# Altium PCB rf_detector.PcbDoc (part 3 of 3)
Units mm, origin at the board's own origin, x right, y up, seen from the top; angles counter-clockwise.
Board outline 79.5 x 159.5 mm, 4 copper layers (Top Layer, GND, Inner Layer 2, Bottom Layer), stack 1.546 mm thick; 329 components, 231 nets, 937 pads, 642 vias.
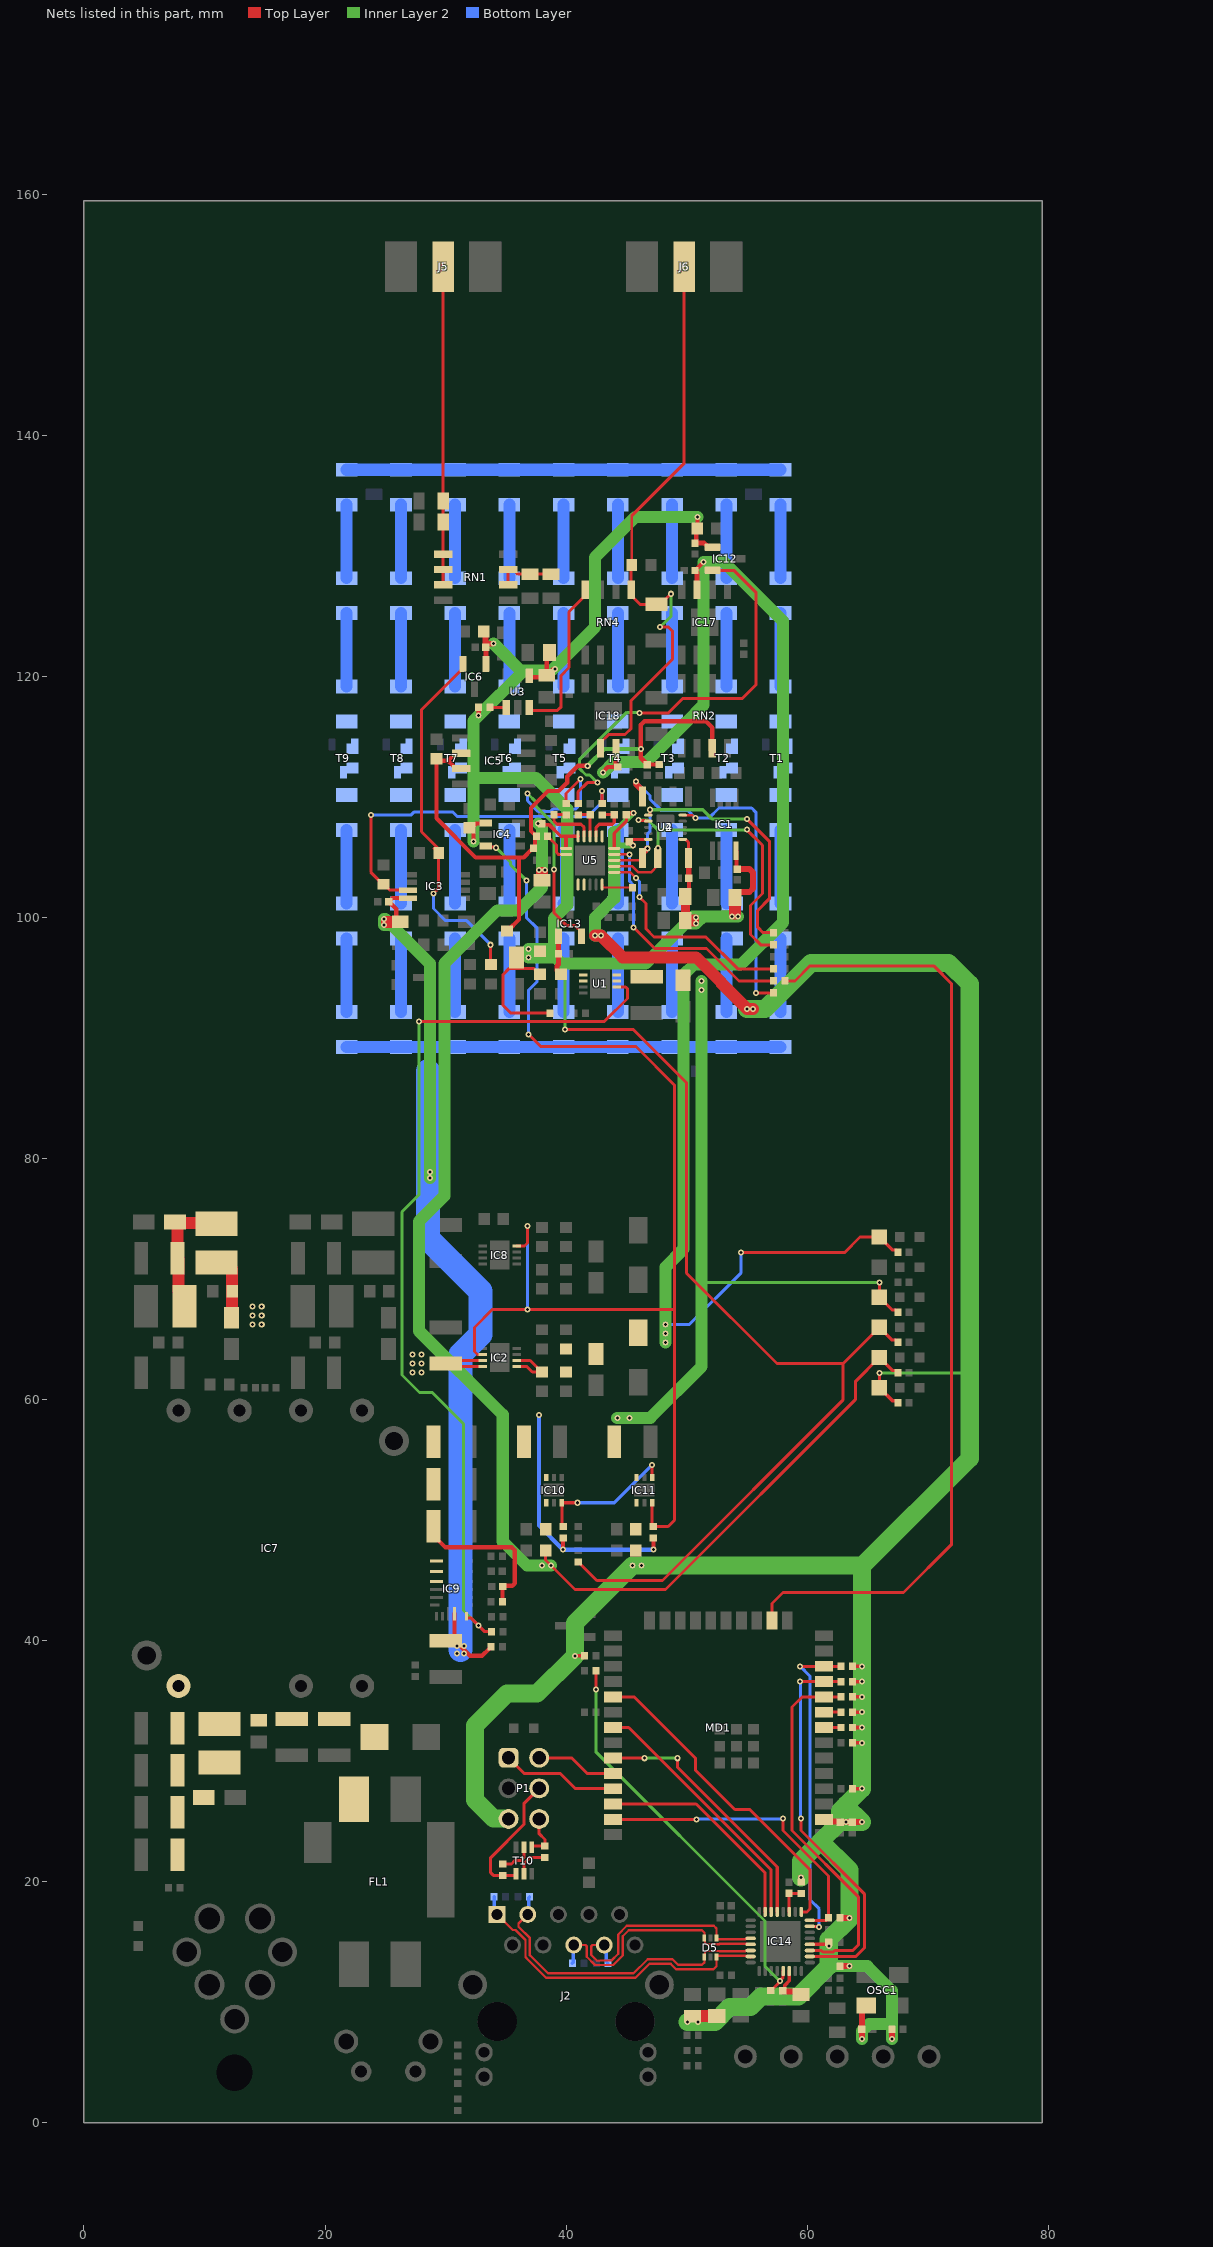
[diagram p5: the nets of this part, all layers, seen from the top]

## Via types
v1: diameter 0.5, hole 0.25, Top Layer to Bottom Layer, tented both sides, 624 vias
v2: diameter 0.5, hole 0.2, Top Layer to Bottom Layer, tented both sides, 16 vias
v3: diameter 0.45, hole 0.25, Top Layer to Bottom Layer, tented both sides, 2 vias

## Nets (pads, with @x,y where several pads share a name; then routed paths per layer and width w, separated by ;. In a path a pad name is that pad's centre, name@x,y a point inside that pad or via, vN(x,y) a via of type N, cw(c..) or ccw(c..) an arc to the next point about the centre after c; other vN are vias at no path point) (continued)
NetR20_1: R20.1 R21.1 R23.2 R24.2 R25.2 R26.2 R27.2 R28.2 R29.2 R30.2 R31.2 | length 36
  Bottom Layer w1: R31.2@21.8,89.265 R30.2@26.3,89.265 R29.2@30.8,89.265 R28.2@35.3,89.265 R27.2@39.8,89.265 R26.2@44.3,89.265 R25.2@48.8,89.265 R24.2@53.3,89.265 R23.2@57.8,89.265
NetR23_1: R23.1 R33.2 | length 6.1
  Bottom Layer w1: R23.1@57.8,92.165 R33.2@57.8,98.265
NetR24_1: R24.1 R34.2 | length 6.1
  Bottom Layer w1: R24.1@53.3,92.165 R34.2@53.3,98.265
NetR25_1: R25.1 R35.2 | length 6.1
  Bottom Layer w1: R25.1@48.8,92.165 R35.2@48.8,98.265
NetR26_1: R26.1 R36.2 | length 6.1
  Bottom Layer w1: R26.1@44.3,92.165 R36.2@44.3,98.265
NetR27_1: R27.1 R37.2 | length 6.1
  Bottom Layer w1: R27.1@39.8,92.165 R37.2@39.8,98.265
NetR28_1: R28.1 R38.2 | length 6.1
  Bottom Layer w1: R28.1@35.3,92.165 R38.2@35.3,98.265
NetR29_1: R29.1 R39.2 | length 6.1
  Bottom Layer w1: R29.1@30.8,92.165 R39.2@30.8,98.265
NetR30_1: R30.1 R40.2 | length 6.1
  Bottom Layer w1: R30.1@26.3,92.165 R40.2@26.3,98.265
NetR31_1: R31.1 R41.2 | length 6.1
  Bottom Layer w1: R31.1@21.8,92.165 R41.2@21.8,98.265
NetR33_1: R33.1 R43.2 | length 6.1
  Bottom Layer w1: R33.1@57.8,101.165 R43.2@57.8,107.265
NetR34_1: R34.1 R44.2 | length 6.1
  Bottom Layer w1: R34.1@53.3,101.165 R44.2@53.3,107.265
NetR35_1: R35.1 R45.2 | length 6.1
  Bottom Layer w1: R35.1@48.8,101.165 R45.2@48.8,107.265
NetR36_1: R36.1 R46.2 | length 6.1
  Bottom Layer w1: R36.1@44.3,101.165 R46.2@44.3,107.265
NetR37_1: R37.1 R47.2 | length 6.4
  Bottom Layer w1: R37.1@39.8,101.165 39.925,101.165 40,101.24 40,107.19 39.925,107.265 R47.2@39.8,107.265
NetR38_1: R38.1 R48.2 | length 6.1
  Bottom Layer w1: R38.1@35.3,101.165 R48.2@35.3,107.265
NetR39_1: R39.1 R49.2 | length 6.1
  Bottom Layer w1: R39.1@30.8,101.165 R49.2@30.8,107.265
NetR40_1: R40.1 R50.2 | length 6.1
  Bottom Layer w1: R40.1@26.3,101.165 R50.2@26.3,107.265
NetR41_1: R41.1 R51.2 | length 6.1
  Bottom Layer w1: R41.1@21.8,101.165 R51.2@21.8,107.265
NetR43_1: R43.1 R52.2 T1.3
NetR44_1: R44.1 R53.2 T2.3
NetR45_1: R45.1 R54.2 T3.3
NetR46_1: R46.1 R55.2 T4.3
NetR47_1: R47.1 R56.2 T5.3
NetR48_1: R48.1 R57.2 T6.3
NetR49_1: R49.1 R58.2 T7.3
NetR50_1: R50.1 R59.2 T8.3
NetR51_1: R51.1 R60.2 T9.3
NetR52_1: R52.1 R65.2 T1.2
NetR53_1: R53.1 R66.2 T2.2
NetR54_1: R54.1 R67.2 T3.2
NetR55_1: R55.1 R68.2 T4.2
NetR56_1: R56.1 R69.2 T5.2
NetR57_1: R57.1 R70.2 T6.2
NetR58_1: R58.1 R71.2 T7.2
NetR59_1: R59.1 R72.2 T8.2
NetR60_1: R60.1 R73.2 T9.2
NetR65_1: R65.1 R75.2 | length 6.1
  Bottom Layer w1: R65.1@57.8,119.165 R75.2@57.8,125.265
NetR66_1: R66.1 R76.2 | length 6.1
  Bottom Layer w1: R66.1@53.3,119.165 R76.2@53.3,125.265
NetR67_1: R67.1 R77.2 | length 6.1
  Bottom Layer w1: R67.1@48.8,119.165 R77.2@48.8,125.265
NetR68_1: R68.1 R78.2 | length 6.1
  Bottom Layer w1: R68.1@44.3,119.165 R78.2@44.3,125.265
NetR69_1: R69.1 R79.2 | length 6.1
  Bottom Layer w1: R69.1@39.8,119.165 R79.2@39.8,125.265
NetR70_1: R70.1 R80.2 | length 6.1
  Bottom Layer w1: R70.1@35.3,119.165 R80.2@35.3,125.265
NetR71_1: R71.1 R81.2 | length 6.1
  Bottom Layer w1: R71.1@30.8,119.165 R81.2@30.8,125.265
NetR72_1: R72.1 R82.2 | length 6.1
  Bottom Layer w1: R72.1@26.3,119.165 R82.2@26.3,125.265
NetR73_1: R73.1 R83.2 | length 6.1
  Bottom Layer w1: R73.1@21.8,119.165 R83.2@21.8,125.265
NetR75_1: R75.1 R86.2 | length 6.1
  Bottom Layer w1: R75.1@57.8,128.165 R86.2@57.8,134.265
NetR76_1: R76.1 R87.2 | length 6.1
  Bottom Layer w1: R76.1@53.3,128.165 R87.2@53.3,134.265
NetR77_1: R77.1 R88.2 | length 6.1
  Bottom Layer w1: R77.1@48.8,128.165 R88.2@48.8,134.265
NetR78_1: R78.1 R89.2 | length 6.1
  Bottom Layer w1: R78.1@44.3,128.165 R89.2@44.3,134.265
NetR79_1: R79.1 R90.2 | length 6.1
  Bottom Layer w1: R79.1@39.8,128.165 R90.2@39.8,134.265
NetR80_1: R80.1 R91.2 | length 6.1
  Bottom Layer w1: R80.1@35.3,128.165 R91.2@35.3,134.265
NetR81_1: R81.1 R92.2 | length 6.1
  Bottom Layer w1: R81.1@30.8,128.165 R92.2@30.8,134.265
NetR82_1: R82.1 R93.2 | length 6.1
  Bottom Layer w1: R82.1@26.3,128.165 R93.2@26.3,134.265
NetR83_1: R83.1 R94.2 | length 6.1
  Bottom Layer w1: R83.1@21.8,128.165 R94.2@21.8,134.265
NetR86_1: R86.1 R87.1 R88.1 R89.1 R90.1 R91.1 R92.1 R93.1 R94.1 R95.2 R96.2 | length 36
  Bottom Layer w1: R94.1@21.8,137.165 R93.1@26.3,137.165 R92.1@30.8,137.165 R91.1@35.3,137.165 R90.1@39.8,137.165 R89.1@44.3,137.165 R88.1@48.8,137.165 R87.1@53.3,137.165 R86.1@57.8,137.165
NetR117_2: R117.2 U5.14 | length 20.9
  Top Layer w0.2: U5.14@44,105.25 v1(45.25,105.25)
  Top Layer w0.25: v1(45.6,99.2) 47.355,97.445 51.655,97.445 54.35,94.75 R117.2@57.21,94.75
  Bottom Layer w0.25: v1(45.25,105.25) 45.25,103.05 45.598,102.702 45.598,99.202 v1(45.6,99.2)
NetR118_1: R118.1 U5.2 | length 2.5
  Top Layer w0.25: R118.1@38.47,106.75 38.47,106.73 38.635,106.565 38.655,106.565 39.2,106.02 39.2,105.4 39.35,105.25 U5.2@40,105.25
NetR119_1: R119.1 U5.10 | length 2.8
  Top Layer w0.2: U5.10@43,102.75 43,102.523 43.023,102.5 R119.1@45.53,102.5
NetR121_1: R121.1 U3.1 | length 1.4
  Top Layer w0.25: R121.1@33.695,117.45 U3.1@35.04,117.45
  Top Layer w0.4: U3.1@35.04,117.45 U3.1@35.05,117.44
NetR122_1: R122.1 R125.1 RN1.6 RN1.7 | length 5
  Top Layer w0.245: RN1.6@35.2,127.615 RN1.7@35.2,128.885 35.675,128.885 35.852,128.708 35.852,128.644 35.996,128.5 R125.1@37,128.5 R122.1@38.75,128.5
NetR137_1: R137.1 T10.2 | length 2.8
  Top Layer w0.25: R137.1@34.75,21.47 35.47,21.47 35.75,21.75 36.25,21.75 36.5,22 T10.2@36.5,22.85
NetR138_1: R138.1 T10.5 | length 2.8
  Top Layer w0.25: T10.5@36.5,20.65 36.5,21.477 37.053,22.03 R138.1@38.25,22.03
NetRN4_4: RN4.4 U3.3 | length 13.4
  Top Layer w0.245: U3.3@36.95,117.44 36.95,117.387 37.137,117.2 39.3,117.2 39.6,117.5 39.6,120.1 40.25,120.75 40.25,125.38 41.595,126.725 RN4.4@41.595,127.2
NetU5_6: U5.6
NetU5_7: U5.7
NetU5_16: U5.16
P2V048_REF: C14.2 C65.2 C73.2 IC5.6 IC5.7 R98.2 R116.2 R118.2 RN2.3 | length 52.6
  Top Layer w0.35: IC5.7@31.3,112.365 30.825,112.365 30.65,112.54 30.65,112.583 30.211,113.021 ; IC5.6@31.3,113.635 30.825,113.635 30.211,113.021 ; R98.2@35.2,98.95 36.1,99.85 36.1,105 ; R118.2@37.53,106.75 37.53,106.73 37.415,106.615 37.415,105.615 37.105,105.615 36.49,105 36.1,105 ; R118.2@37.55,106.75 37.1,107.2 37.1,109.1 38.5,110.5 39.4,110.5 40.1,111.2 40.1,111.7 41,112.6 v1(41.8,112.6) ; C65.2@46.75,112.7 C65.2@46.76,112.71 ; R116.2@47.75,112.72 47.74,112.71 C65.2@46.76,112.71 ; RN2.3@52.135,114.05 52.135,115.765 51.6,116.3 46.5,116.3 46.2,116 46.2,113.27 46.615,112.855 46.615,112.835 46.74,112.71 C65.2@46.76,112.71 ; 30.211,113.021 29.429,113.021 C14.2@29.25,113.2 29.25,108.25 32.5,105 36.1,105
  Inner Layer 2 w0.35: v1(41.8,112.6) 43.2,114 v1(46.2,114)
P3V3: C57.2 C58.2 C72.2 C75.2 C87.2 C89.2 C90.1 C95.2 C96.2 FB1.2 IC11.1 IC14.12 MD1.2 OSC1.4 P1.5 R99.1 R120.1 R127.1 R134.2 R135.2 R136.1 R139.2 R148.2 R149.2 R150.2 R152.2 R154.2 R155.2 TP1.1 U4.10 U5.15 | length 259.4
  Top Layer w0.25: U5.15@44,105.75 44,107 45,108 C75.2@45,108.55 ; C72.2@45.25,106.3 45.45,106.5 U4.10@46.825,106.5 ; TP1.1@66,61 v1(66,62.225)
  Top Layer w0.3: v1(40.73,38.75) R127.1@41.53,38.75 ; IC14.12@60.225,14.8 61.6,14.8 C95.2@61.8,15 ; R120.1@63.77,27.72 v1(64.57,27.72) ; R136.1@63.77,31.53 v1(64.57,31.53) ; R134.2@63.77,32.8 v1(64.57,32.8) ; R135.2@63.77,34.07 v1(64.57,34.07) ; R148.2@63.77,35.34 v1(64.57,35.34) ; R149.2@63.77,36.61 v1(64.57,36.61) ; R150.2@63.77,37.88 v1(64.57,37.88) ; TP1.1@66,61 67.09,59.91 67.39,59.91 67.53,59.77 R99.1@67.53,59.75
  Top Layer w0.35: C75.2@45,108.55 45.121,108.671 45.571,108.671 v1(45.6,108.7)
  Top Layer w0.5: C72.2@45.25,106.3 v1(45.56,105.99) ; R155.2@59.5,19.97 v1(59.5,20.37) ; MD1.2@61.4,25.18 61.57,25.01 62.69,25.01 C87.2@62.75,24.95 v1(63.24,24.95) C89.2@63.75,24.95 v1(64.55,24.95) ; R152.2@62.72,13 v1(63.52,13) ; R139.2@62.72,17 v1(63.52,17) ; v1(64.55,6.95) C96.2@64.55,7.75 64.55,9.38 OSC1.4@64.9,9.73 ; v1(67.03,6.95) R154.2@67.03,7.75
  Top Layer w1: v1(42.4,98.5) v1(42.9,98.5) 44.7,96.7 50.8,96.7 52.913,94.588 52.913,94.537 v1(55.025,92.425) v1(55.525,92.425) ; C90.1@50.5,8.85 FB1.2@52.5,8.85
  Inner Layer 2 w0.25: v1(66,62.225) 73.2,62.225
  Inner Layer 2 w0.5: 44,106.2 44.21,105.99 v1(45.56,105.99) ; 44.225,107.325 v1(45.6,108.7)
  Inner Layer 2 w1: v1(42.9,98.5) v1(42.4,98.5) 42.4,100 44,101.6 44,106.2 44,107.1 ; 61.8,13 v1(63.52,13) 65,13 67.03,10.97 67.03,8.2 ; 63.24,26.26 63.24,26.39 ; 64.52,46.25 64.57,46.2 ; v1(64.55,6.95) 64.55,7.614 65.136,8.2 67.03,8.2 ; v1(67.03,6.95) 67.03,8.2
  Inner Layer 2 w1.5: P1.5@35.23,25.21 35.201,25.239 33.997,25.239 32.45,26.786 32.45,32.975 35.1,35.625 37.605,35.625 v1(40.73,38.75) 40.73,41.48 v1(45.5,46.25) v1(46.25,46.25) 64.52,46.25 ; v1(50.068,8.375) 52.35,8.375 53.575,9.6 55.3,9.6 56.175,10.475 59.275,10.475 61.8,13 v1(61.8,14.69) 61.8,15.194 63.52,16.914 v1(63.52,17) 63.52,20.98 61.137,23.362 ; v1(55.025,92.425) v1(55.525,92.425) 56.5,92.425 60.325,96.25 71.75,96.25 73.5,94.5 73.5,55.13 64.57,46.2 v1(64.57,37.88) v1(64.57,36.61) v1(64.57,35.34) v1(64.57,34.07) v1(64.57,32.8) v1(64.57,31.53) v1(64.57,27.72) 63.24,26.39 62.725,25.875 62.725,24.95 ; v1(59.5,20.37) 59.5,21.725 61.137,23.362 ; 61.137,23.362 62.725,24.95 ; 62.725,24.95 v1(63.24,24.95) ; v1(63.24,24.95) 63.24,26.26 v1(64.55,24.95) v1(63.24,24.95)
  Bottom Layer w0.5: v1(42.4,98.5) v1(42.9,98.5) ; v1(55.025,92.425) v1(55.525,92.425)
  other v1: 50.949,8.375
P3V3_PG: IC2.6 IC4.3 IC8.4 IC11.3 R105.1 | length 101.2
  Top Layer w0.25: IC2.6@33.1,63.75 32.65,63.75 32.4,64 32.4,66 33.9,67.5 49,67.5 ; IC4.3@33.35,105.95 33.452,105.848 34.152,105.848 v1(34.2,105.8) ; IC8.4@35.9,72.75 36.55,72.75 36.8,73 v1(36.8,74.4) ; v1(36.9,90.3) 37.9,89.3 45.8,89.3 49,86.1 49,76.025 ; R105.1@47.15,49.57 IC11.3@47.15,51.45 ; R105.1@47.25,49.47 48.47,49.47 49,50 49,67.5 ; 49,76 49,67.5
  Inner Layer 2 w0.25: v1(34.2,105.8) 35.4,104.6 35.4,104.4 v1(36.7,103.1)
  Bottom Layer w0.25: v1(36.7,103.1) 36.7,100.014 37.6,99.114 37.6,94.7 36.9,94 v1(36.9,90.3) ; v1(36.8,67.5) v1(36.8,74.4)
P5V0: C54.2 C55.2 C76.2 C86.2 IC10.1 R100.1 TP2.1 U5.1 U5.20 | length 120.2
  Top Layer w0.25: C55.2@38.3,47.5 38.3,46.7 40.75,44.25 48.25,44.25 64,60 64,61.5 TP2.1@66,63.5 67.065,62.435 67.365,62.435 67.53,62.27 R100.1@67.53,62.25
  Top Layer w0.3: C76.2@38,107.8 38.078,107.722 38.578,107.722 39.55,106.75 40,106.75 ; U5.1@40,105.75 40,106.75 ; U5.20@41,106.75 40,106.75
  Top Layer w0.5: C86.2@37.75,102.875 v1(37.75,103.971) v1(38.25,103.971) C86.2@38.25,102.875
  Inner Layer 2 w1: v1(37.69,107.8) 38,107.49 38,102.5 36.1,100.6 34.3,100.6 29.9,96.2 29.9,76.9 27.8,74.8 27.8,65.7 34.75,58.75 34.75,48.25 36.75,46.25 v1(38.75,46.25)
  other v1: 38,46.25
P5V0_PG: IC10.3 IC11.4 R97.1 | length 11.9
  Top Layer w0.25: R97.1@39.75,49.47 39.65,49.57 IC10.3@39.65,51.45 v1(40.95,51.45) ; IC11.4@47.15,53.55 v1(47.15,54.6)
  Bottom Layer w0.25: v1(40.95,51.45) 44,51.45 v1(47.15,54.6)
P5V0A: C1.2 C2.2 C13.2 C24.2 C25.2 C48.2 C49.2 C51.1 C62.2 C63.2 C66.2 C67.2 C69.2 C70.2 C71.2 C83.1 C84.2 IC1.8 IC4.1 IC6.1 IC12.1 IC13.1 R17.2 R74.1 R101.1 R121.2 TP3.1 U1.1 U1.2 U2.8 U3.4 U4.1 | length 226.1
  Top Layer w0.25: C49.2@37.825,95.3 37.8,95.3 37.308,95.792 35.292,95.792 34.75,95.25 34.75,92.75 35.425,92.075 37.25,92.075 R17.2@38.65,92.075 ; v1(39.9,90.7) 45.6,90.7 50,86.3 50,70.5 57.5,63 63,63 ; R74.1@41,46.53 41.02,46.53 42.55,45 48,45 63,60 63,63 ; U4.1@49.675,106.5 49.9,106.5 50.155,106.245 U2.8@50.155,104.95 ; TP3.1@66.025,66.025 TP3.1@66,66 ; R101.1@67.53,64.75 67.53,64.77 67.365,64.935 67.065,64.935 TP3.1@66,66 ; 63,63 TP3.1@66,66
  Top Layer w0.35: C13.2@32,107.45 32.3,107.75 32.478,107.75 32.53,107.803 33.303,107.803 IC4.1@33.35,107.85 ; v1(32.314,106.3) C13.2@32.314,107.61 ; v1(32.755,116.775) R121.2@32.755,117.45 ; C25.2@33.35,122.45 33.575,122.675 33.9,122.675 v1(33.975,122.75) 33.946,122.779 33.396,122.779 33.35,122.824 ; C84.2@38.25,119.95 38.925,120.625 v1(39.1,120.625) ; C70.2@49.9,101.75 50.2,102.05 C69.2@50.2,103.25 C69.2@50.177,103.272 ; U2.8@50.155,104.95 U2.8@50.177,104.928 ; C62.2@50.9,132.275 v1(50.9,133.25) ; IC1.8@54.1,105.55 54.15,105.5 54.15,104.1 C1.2@54.225,104.025
  Top Layer w0.4: C24.2@33.175,123.725 C24.2@33.263,123.637 ; IC6.1@33.35,121.05 C25.2@33.35,122.45 ; U3.4@36.95,120.06 37.06,119.95 C84.2@38.25,119.95 ; C84.2@38.4,120.1 38.4,121.775 C83.1@38.625,122 ; IC13.1@39.375,98.45 C67.2@39.375,97 39.375,96.125 39.25,96 39.25,95.625 39.275,95.6 39.275,95.575 39.55,95.3 C48.2@39.575,95.3 ; C62.2@50.9,132.275 50.8,132.175 50.8,131.175 C63.2@50.7,131.075 51.466,131.075 51.7,130.841 51.7,130.825 51.8,130.725 IC12.1@52.15,130.725 ; 33.263,123.225 33.263,122.537 C25.2@33.35,122.45 ; 33.263,123.225 C24.2@33.263,123.637 ; 33.263,123.225 33.35,123.137 ; C24.2@33.263,123.637 33.35,123.55 33.35,123.137 ; C25.2@33.35,122.45 33.35,122.824 33.35,123.137
  Top Layer w0.45: C69.2@50.177,103.272 U2.8@50.177,104.928
  Top Layer w0.5: C71.2@49.675,99.5 v1(50.771,99.5) v1(50.771,100) 49.9,100 C71.2@49.675,100 ; C2.2@53.775,101.375 v1(53.775,100.1) v1(54.275,100.1) C2.2@54.275,101.375 ; C2.2@54.025,101.675 54.025,101.85 54.3,102.125 55.225,102.125 55.527,102.427 55.527,103.732 55.234,104.025 C1.2@54.225,104.025
  Top Layer w0.75: C71.2@49.9,99.75 49.9,100 C70.2@49.9,101.75
  Inner Layer 2 w0.25: 39.6,96.2 39.9,95.9 v1(39.9,90.7)
  Inner Layer 2 w1: v1(32.314,106.3) 32.314,111.6 ; v1(33.975,122.75) 36.353,120.372 ; v1(50.9,133.25) 45.75,133.25 42.4,129.9 42.4,124.1 38.8,120.5 36.48,120.5 36.353,120.372 ; v1(54.275,100.1) v1(53.775,100.1) 51.371,100.1 ; 32.314,111.6 37.5,111.6 40.1,109 40.1,101.038 39,99.938 39,97.4 ; 32.314,111.6 32.314,116.334 v1(32.755,116.775) 36.353,120.372 ; 39,97.4 v1(36.9,97.4) v1(36.9,96.7) 39.1,96.7 ; 39,97.4 39,96.8 39.1,96.7 ; 39.1,96.7 39.6,96.2 46.6,96.2 49.9,99.5 ; 49.9,99.5 v1(50.771,99.5) ; 49.9,99.5 50.5,100.1 v1@50.871,100.1 ; v1(50.771,99.5) 51.371,100.1 ; v1(50.771,99.5) v1(50.771,100) v1@50.871,100.1 ; v1@50.871,100.1 51.371,100.1
P6V0: C44.2 C45.2 C46.2 C47.2 C50.1 C52.2 C53.2 C56.2 IC9.7 IC9.8 IC9.9 IC10.6 IC11.6 R19.2 R97.2 R102.1 R105.2 TP4.1 U1.7 U1.8 | length 93.7
  Top Layer w0.25: v1(66,69.725) TP4.1@66,68.5 67.065,67.435 67.365,67.435 67.53,67.27 R102.1@67.53,67.25
  Top Layer w0.35: C44.2@29,49.5 29,48.725 29.4,48.325 29.425,48.325 30,47.75 35.5,47.75 35.75,47.5 35.75,44.77 35.545,44.565 34.795,44.565 34.725,44.495 34.725,43.255 R19.2@34.72,43.25 ; v1(39.75,47.555) R97.2@39.75,48.53 ; v1(47.25,47.555) R105.2@47.25,48.53
  Inner Layer 2 w0.25: 51,69.75 51.025,69.725 51.25,69.725 v1(66,69.725)
  Inner Layer 2 w1: v1(44.25,58.5) 47,58.5 51.25,62.75 51.25,69.725 v1(51.25,94) v1(51.25,94.75)
  Bottom Layer w0.35: v1(37.75,58.75) 37.75,49.555 v1(39.75,47.555) v1(47.25,47.555)
  other v1: 45.25,58.5
P6V0_PG: IC9.18 R16.2 U1.6 | length 76.5
  Top Layer w0.25: v1(27.8,91.4) 43.2,91.4 45.1,93.3 45.1,94.1 44.95,94.25 U1.6@44.225,94.25 ; IC9.18@31.75,42.05 31.75,41.897 32.103,41.897 v1(32.75,41.25) 33.25,40.75 R16.2@33.81,40.75
  Inner Layer 2 w0.25: v1(27.8,91.4) 27.8,77 26.39,75.59 26.39,62.049 27.839,60.6 28.9,60.6 31.5,58 31.5,42.5 v1(32.75,41.25)
P12V0: C5.2 C6.2 C26.2 C27.2 C31.2 C43.2 D1.1 FL1.2 IC3.8 IC9.16 L4.1 R15.2 R20.2 | length 88.7
  Top Layer w0.35: C27.2@25.906,99.9 25.906,100.706 C26.2@25.288,101.323 25.59,101.625 IC3.8@26.9,101.625 ; C43.2@30,40 C43.2@30.35,40 ; IC9.16@30.75,42.25 30.75,40.4 C43.2@30.35,40 ; R15.2@33.78,39.5 33.78,39.48 33.665,39.365 33.645,39.365 33.03,38.75 32.025,38.75 31.387,39.388 30.775,40 C43.2@30.35,40
  Top Layer w0.5: C27.2@25.996,99.4 v1(24.9,99.4) v1(24.9,99.9) 25.906,99.9 25.996,99.9 C27.2@26.246,99.65
  Inner Layer 2 w1: v1(28.7,78.4) v1(28.7,78.9) 28.7,96.2 25.5,99.4 ; v1(24.9,99.4) 25.5,99.4 ; v1(24.9,99.4) v1(24.9,99.9) 25,99.9 25.3,99.6 ; v1(24.9,99.4) 25.1,99.6 25.3,99.6 ; 25.3,99.6 25.5,99.4
  Bottom Layer w2: R20.2@28.55,87.25 28.55,73.35 32.9,69 32.9,65.4 31.25,63.75 31.25,39.25
  other v1: 30.95,38.95 31.55,38.95 30.95,39.55 31.55,39.55
P12V0A: C11.2 C12.2 C16.1 C79.2 C81.2 D3.1 IC2.1 IC2.2 IC17.7 IC18.7 R6.2 R103.2 TP5.1 | length 131.6
  Top Layer w0.25: IC2.1@35.9,62.75 36.75,62.75 37.2,62.3 C11.2@37.975,62.3 ; IC2.2@35.9,63.25 37.025,63.25 C11.2@37.975,62.3 ; C11.2@38,62.3 C11.2@37.975,62.3 ; v1(54.5,72.2) 63.1,72.2 64.4,73.5 TP5.1@66,73.5 67.065,72.435 67.365,72.435 67.53,72.27 R103.2@67.53,72.25
  Top Layer w0.35: v1(43.074,112.032) 43.103,112.061 43.103,112.138 43.465,112.5 C81.2@44.3,112.5 ; C79.2@50.7,128.804 51.396,129.5 v1(51.4,129.5)
  Top Layer w0.4: IC18.7@44.135,114.05 44.135,112.665 C81.2@44.3,112.5 ; C79.2@50.7,128.804 50.865,128.639 IC17.7@50.865,127.2
  Inner Layer 2 w1: v1(43.074,112.032) 43.942,112.9 46.649,112.9 49.924,116.176 51.4,117.651 v1(51.4,129.5) 53.1,129.5 58,124.6 58,99.6 54.5,96.1 50.6,96.1 49.75,95.25 49.75,72.5 48.25,71 v1(48.25,65.5) v1(48.25,64.75)
  Bottom Layer w0.25: v1(48.25,66.25) 50.25,66.25 54.5,70.5 v1(54.5,72.2)
P12V0FIL: C21.2 C22.2 C23.2 C29.2 C30.1 IC7.1 L4.2
P13V0: C8.2 C10.2 C15.1 IC2.7 IC2.8 L2.2 | length 12
  Top Layer w0.25: IC2.8@33.1,62.75 30.25,62.75 C8.2@30,63 30.25,63.25 IC2.7@33.1,63.25
  Top Layer w1: L2.2@11,71.4 11.75,71.4 12.3,70.85 C10.2@12.3,69 12.3,66.85 C15.1@12.25,66.8
  other v1: 27.25,62.25 28,62.25 27.25,63 28,63 27.25,63.75 28,63.75 14,66.25 14.75,66.25 14,67 14.75,67 14,67.75 14.75,67.75
P13V0FIL: C7.2 C9.1 L1.2 L2.1 | length 10.9
  Top Layer w1: L1.2@8.35,67.75 8.35,68.5 7.825,69.025 7.825,71.675 C7.2@7.75,71.75 7.75,74.625 C9.1@7.7,74.675 ; L2.1@11,74.6 10.925,74.675 C9.1@7.7,74.675 ; C9.1@7.7,74.675 7.625,74.75 C9.1@7.55,74.75 7.625,74.675 C9.1@7.7,74.675
PHY_MDC: IC14.17 MD1.29 | length 27
  Top Layer w0.25: MD1.29@43.9,35.34 45.66,35.34 50.75,30.25 50.75,29.25 54,26 55.25,26 60.25,21 60.25,17.75 60,17.5 IC14.17@59.525,17.5
PHY_MDIO: IC14.16 MD1.37 R139.1 | length 25.6
  Top Layer w0.25: MD1.37@43.9,25.18 v1(50.82,25.18) ; v1(58,25.25) 58,24.25 61.78,20.47 61.78,16.98 61.6,16.8 IC14.16@60.225,16.8
  Bottom Layer w0.25: v1(50.82,25.18) 50.855,25.215 57.965,25.215 v1(58,25.25)
PHY_RD_N: D5.4 IC14.28 J2.3 R143.2 | length 20
  Top Layer w0.19: J2.3@43.175,14.75 42.201,14.75 42.09,14.639 42.09,13.933 42.553,13.47 43.77,13.47 44.33,14.03 44.33,15.63 45.045,16.345 52.255,16.345 52.482,16.118 D5.4@52.482,15.334 52.482,15.29 52.537,15.235 54.87,15.235 54.914,15.279 55.304,15.279 IC14.28@55.325,15.3
  Bottom Layer w0.28: J2.3@43.175,14.75 43.322,14.603 43.322,13.397 R143.2@43.47,13.25
PHY_RD_P: D5.6 IC14.29 J2.5 R142.2 | length 20.5
  Top Layer w0.19: J2.5@40.635,14.75 41.609,14.75 41.72,14.639 41.72,13.78 42.4,13.1 43.923,13.1 44.7,13.877 44.7,15.477 45.198,15.975 51.286,15.975 51.482,15.779 D5.6@51.482,15.334 51.537,15.279 51.537,14.938 51.648,14.827 52.724,14.827 52.762,14.865 54.955,14.865 55.02,14.8 IC14.29@55.325,14.8
  Bottom Layer w0.28: R142.2@40.53,13.25 40.582,13.302 40.582,14.698 J2.5@40.635,14.75
PHY_RESET: C99.2 IC14.19 R155.1 | length 2.6
  Top Layer w0.25: C99.2@58.5,19.05 C99.2@58.51,19.04 ; IC14.19@58.525,17.5 58.515,17.51 58.515,19.035 C99.2@58.51,19.04 ; R155.1@59.5,19.03 59.49,19.04 C99.2@58.51,19.04
PHY_TD_N: D5.1 IC14.30 J2.8 R147.2 | length 26.1
  Top Layer w0.19: J2.8@36.825,17.29 36.062,16.527 36.062,16.262 37,15.323 37,13.9 38.5,12.4 45.6,12.4 46.77,13.57 48.83,13.57 49.288,13.112 51.286,13.112 51.482,13.309 D5.1@51.482,13.754 ; D5.1@51.537,13.809 51.537,14.149 51.648,14.261 52.724,14.261 52.75,14.235 54.87,14.235 54.914,14.279 55.304,14.279 IC14.30@55.325,14.3
  Bottom Layer w0.28: J2.8@36.825,17.29 36.898,17.363 36.898,18.678 R147.2@36.97,18.75
PHY_TD_P: D5.3 IC14.31 J2.10 R145.2 | length 27.2
  Top Layer w0.19: J2.10@34.285,17.29 35.575,16 35.8,16 36.63,15.17 36.63,13.747 36.838,13.538 37.177,13.2 ; 37.068,13.308 37.177,13.2 ; D5.3@52.482,13.754 52.482,12.982 52.242,12.742 49.134,12.742 48.738,13.138 48.677,13.2 46.923,13.2 45.753,12.03 38.347,12.03 37.177,13.2 ; 52.632,13.865 54.955,13.865 55.02,13.8 IC14.31@55.325,13.8
  Top Layer w0.28: IC14.31@55.321,13.784 IC14.31@55.325,13.787
  Bottom Layer w0.28: R145.2@34.03,18.75 34.03,17.545 J2.10@34.285,17.29
RF_IN: J5.1 R123.2 R124.2 RN1.1 RN1.2 RN1.3 | length 26.4
  Top Layer w0.245: RN1.3@29.8,127.615 RN1.2@29.8,128.885 RN1.1@29.8,130.155 R123.2@29.8,132.825 R124.2@29.8,134.575 J5.1@29.8,154
RF_PWR_OUT: C78.2 IC18.6 J6.1 R5.1 RN4.1 | length 50.4
  Top Layer w0.245: v1(48.7,126.875) 47.825,126 C78.2@47.5,126 46.13,126 45.405,126.725 RN4.1@45.405,127.2 45.405,129.205 R5.1@45.45,129.25 45.45,133.35 49.8,137.7 J6.1@49.8,154
  Top Layer w0.25: IC18.6@42.865,114.05 42.865,114.525 43.54,115.2 44.9,115.2 45.4,115.7 45.4,118.014 48.831,121.444 48.831,123.769 48.5,124.1 v1(47.8,124.1)
  Inner Layer 2 w0.25: v1(47.8,124.1) 48.7,125 v1(48.7,126.875)
RMII_CRSDV: IC14.15 MD1.12 R150.1 | length 26.5
  Top Layer w0.25: v1(59.429,37.88) MD1.12@61.4,37.88 R150.1@62.83,37.88 ; IC14.15@60.225,16.3 60.235,16.29 60.96,16.29 v1(61,16.25)
  Bottom Layer w0.25: v1(59.429,37.88) 60.25,37.059 60.25,18.5 61,17.75 v1(61,16.25)
RMII_REFCLK: IC14.5 R126.2 R153.2 | length 34.1
  Top Layer w0.25: v1(42.47,35.97) R126.2@42.47,37.5 ; R153.2@57,10.97 57.02,10.97 57.75,11.7 57.75,11.818 58.015,12.083 58.015,12.59 IC14.5@58.025,12.6
  Inner Layer 2 w0.25: v1(42.47,35.97) 42.47,30.78 56.5,16.75 56.5,13 v1(57.75,11.75)
RMII_RXD0: IC14.11 MD1.10 R148.1 | length 30.8
  Top Layer w0.25: IC14.11@60.225,14.3 61.2,14.3 61.312,14.188 62.188,14.188 62.3,14.3 63.8,14.3 64.25,14.75 64.25,18.75 58.75,24.25 58.75,34.5 59.59,35.34 MD1.10@61.4,35.34 R148.1@62.83,35.34
RMII_RXD1: IC14.10 MD1.11 R149.1 | length 32.5
  Top Layer w0.25: v1(59.428,36.61) R149.1@62.83,36.61 ; v1(59.5,25.25) 59.5,24.25 64.75,19 64.75,14.5 64.05,13.8 IC14.10@60.225,13.8
  Bottom Layer w0.25: v1(59.428,36.61) 59.464,36.574 59.464,25.286 v1(59.5,25.25)
RMII_TXD0: IC14.22 MD1.31 | length 21.5
  Top Layer w0.25: MD1.31@43.9,32.8 45.2,32.8 57.025,20.975 IC14.22@57.025,17.5
RMII_TXD1: IC14.23 MD1.36 | length 18.2
  Top Layer w0.25: MD1.36@43.9,26.45 50.8,26.45 56.525,20.725 IC14.23@56.525,17.5
RMII_TXEN: IC14.21 MD1.33 | length 21.5
  Top Layer w0.25: MD1.33@43.9,30.26 46.49,30.26 v1(46.5,30.25) ; v1(49.25,30.25) 49.25,29.5 57.525,21.225 IC14.21@57.525,17.5
  Inner Layer 2 w0.25: v1(46.5,30.25) v1(49.25,30.25)
SCL: MD1.8 R134.1 | length 1.4
  Top Layer w0.25: MD1.8@61.4,32.8 R134.1@62.83,32.8
SDA: MD1.9 R135.1 | length 1.4
  Top Layer w0.25: MD1.9@61.4,34.07 R135.1@62.83,34.07
SPI_CLK: R129.1 U2.5 U4.6 U5.13 | length 27.4
  Top Layer w0.2: U5.13@44,104.75 46.149,104.75 U2.5@46.345,104.946
  Top Layer w0.25: U4.6@46.825,108.5 46.952,108.5 v1(46.952,108.952) ; v1(55,108.2) 56.9,106.3 56.9,101.6 55.9,100.6 55.9,99.2 56.35,98.75 R129.1@57.21,98.75
  Top Layer w0.5: U2.5@46.345,104.946 U2.5@46.345,104.95 46.345,105.475 46.395,105.525 46.525,105.525 v1(46.75,105.75)
  Inner Layer 2 w0.25: v1(46.952,108.952) 51.348,108.952 52.1,108.2 v1(55,108.2)
  Bottom Layer w0.25: v1(46.75,105.75) 46.75,106.95 46.952,107.152 v1(46.952,108.952)
SPI_CSADC: R131.1 U5.11 | length 18.5
  Top Layer w0.2: U5.11@44,103.75 45.35,103.75 v1(45.8,103.3)
  Top Layer w0.25: v1(46.1,101.7) 46.1,101.693 46.627,101.166 46.627,99.073 47.3,98.4 51.6,98.4 54.25,95.75 R131.1@57.21,95.75
  Bottom Layer w0.25: v1(45.8,103.3) 46.1,103 v1(46.1,101.7)
SPI_CSDAC: R130.1 U2.4 U4.5 | length 31
  Top Layer w0.2: U4.5@49.675,108.5 50.483,108.5 50.733,108.25 v1(50.75,108.25)
  Top Layer w0.25: v1(55.75,93.75) R130.1@57.21,93.75
  Top Layer w0.5: v1(45.8,111.3) 45.8,111.12 46.295,110.625 46.295,110.1 U2.4@46.345,110.05
  Bottom Layer w0.25: v1(45.8,111.3) 46.974,110.126 46.974,109.826 47.9,108.9 50.1,108.9 v1(50.75,108.25) 51.85,108.25 52.7,109.1 55.4,109.1 55.75,108.75 v1(55.75,93.75)
SPI_MISO: MD1.16 R117.1 | length 79.9
  Top Layer w0.25: MD1.16@57.09,41.67 57.09,43.09 58,44 68,44 72,48 72,94.5 70.5,96 60.25,96 59,94.75 R117.1@58.15,94.75
SPI_MOSI: R128.1 U2.6 U4.7 U5.12 | length 28.3
  Top Layer w0.2: U5.12@44,104.25 45.5,104.25 46,103.75 47.042,103.75 47.615,104.323 U2.6@47.615,104.95
  Top Layer w0.25: v1(46,108.1) 46.048,108.052 46.548,108.052 46.6,108 U4.7@46.825,108 ; v1(55,107.3) 56.3,106 56.3,102 55.3,101 55.3,98.6 56.15,97.75 R128.1@57.21,97.75
  Inner Layer 2 w0.25: v1(46,108.1) 46.8,108.1 47.615,107.285 ; v1(47.615,105.775) 47.615,107.285 ; v1(55,107.3) 54.985,107.285 47.615,107.285
TEMP_SEN0_OUT: IC12.2 R109.1 | length 34.9
  Top Layer w0.25: R109.1@41,109.47 41,110.44 41.76,111.2 v1(42.6,111.2) ; v1(46.1,117) 48.5,117 49.7,118.2 54.65,118.2 55.75,119.3 55.75,127 53.925,128.825 IC12.2@52.15,128.825
  Inner Layer 2 w0.25: v1(42.6,111.2) 41.961,111.839 41.661,111.839 41.1,112.4 41.1,113.1 45.039,117.039 46.061,117.039 v1(46.1,117)
TEMP_SEN0_OUT_FLT: C64.2 R109.2 U5.18 | length 2.8
  Top Layer w0.25: R109.2@41,108.53 41.01,108.54 41.99,108.54 C64.2@42,108.55 U5.18@42,106.75
TEMP_SEN1_OUT: IC13.2 R113.1 | length 24.3
  Top Layer w0.25: v1(39,104) 39,100.4 40.066,99.334 40.741,99.334 41.275,98.8 IC13.2@41.275,98.45 ; R113.1@40,109.47 40,110.3 v1(41.2,111.5)
  Inner Layer 2 w0.25: v1(36.8,110.3) 37.525,109.575 37.525,109.227 39,107.751 v1(39,104)
  Bottom Layer w0.25: v1(36.8,110.3) 36.8,109.7 37.702,108.798 38.698,108.798 38.9,109 40.772,109 41.2,109.428 v1(41.2,111.5)
TEMP_SEN1_OUT_FLT: C68.2 R113.2 U5.19 | length 5.3
  Top Layer w0.25: R113.2@40.185,108.365 40.02,108.53 R113.2@40,108.53 39.99,108.54 39.01,108.54 C68.2@39,108.55 39,108 39.25,107.75 41.25,107.75 41.5,107.5 U5.19@41.5,106.75
TEMP_SENHT_OUT: IC6.2 R22.1 R61.1 | length 30.4
  Top Layer w0.25: v1(29,102) 29,102.014 29.435,102.449 29.435,105.423 29.11,105.748 R22.1@29.06,105.748 ; R22.1@29.456,105.675 28,107.131 28,117.25 31.45,120.7 IC6.2@31.45,121.05 ; v1(33.75,97.75) 33.75,96.131 R61.1@33.781,96.1
  Bottom Layer w0.25: v1(29,102) 29,100.75 30,99.75 31.75,99.75 v1(33.75,97.75)
TEMP_SENHT_OUT_BUF: IC3.7 R18.2 R108.1 | length 30.3
  Top Layer w0.25: v1(23.8,108.5) 23.8,103.773 24.8,102.773 R18.2@24.85,102.773 24.9,102.773 25.398,102.275 IC3.7@26.9,102.275 ; R108.1@43,109.47 v1(43,110.5)
  Bottom Layer w0.25: v1(23.8,108.5) 27.116,108.5 27.366,108.75 30.615,108.75 30.965,108.4 41.8,108.4 43,109.6 v1(43,110.5)
TEMP_SENHT_OUT_FLT: C61.2 R108.2 U5.17 | length 4.1
  Top Layer w0.25: U5.17@42.5,106.75 42.5,107.5 42.75,107.75 43.854,107.75 44,107.896 C61.2@44,108.55 43.99,108.54 43.01,108.54 R108.2@43,108.53
U0DTR: P1.4 R137.2 T10.4 | length 10.9
  Top Layer w0.25: T10.4@35.85,20.65 35.85,20.605 35.775,20.53 R137.2@34.75,20.53 33.97,20.53 33.75,20.75 33.75,22 36.5,24.75 36.5,26.48 P1.4@37.77,27.75
U0RTS: P1.6 R138.2 T10.1 | length 3.6
  Top Layer w0.25: T10.1@37.15,22.85 37.15,22.895 37.225,22.97 R138.2@38.25,22.97 38.25,23.5 37.77,23.98 P1.6@37.77,25.21
U0RXD: MD1.34 P1.2 | length 6.7
  Top Layer w0.25: P1.2@37.77,30.29 40.46,30.29 41.76,28.99 MD1.34@43.9,28.99
U0TXD: MD1.35 P1.1 | length 9.7
  Top Layer w0.25: P1.1@35.23,30.29 36.52,29 39.5,29 40.78,27.72 MD1.35@43.9,27.72
VDCR: C97.1 C98.2 IC14.6 | length 3.5
  Top Layer w0.3: C98.2@58,10.95 58.16,11.11 58.16,11.41 58.525,11.775 IC14.6@58.525,12.6
  Top Layer w0.5: C98.2@58,10.95 58.06,10.89 59.26,10.89 C97.1@59.5,10.65
pads on no net: D2.2 IC5.5 IC5.8 IC7.9 IC9.10 IC9.15 IC17.1 IC17.5 IC18.1 IC18.5 J1.5 J2.MH1 J2.MH2

## Polygon pours and split planes (outlines as drawn)
no net on Bottom Layer "balancing" (solid, pour order 113): 2.5,0 76.5,0 76.5,159.5 2.5,159.5
N13V0 on Bottom Layer "N13V0_L04_P058" (solid, pour order 58): 32.7,73.6 36.3,73.6 36.3,70.4 32.7,70.4
P13V0 on Bottom Layer "P13V0_L04_P041" (solid, pour order 41): 13.75,68.5 22.75,68.5 22.75,67.5 28.5,67.5 28.5,61.75 26.25,61.75 26.25,63.75 13.25,63.75 13.25,68.5
no net on Top Layer "balancing" (solid, pour order 114): 2.5,0 76.5,0 76.5,159.5 2.5,159.5
P12V0 on Top Layer "P12V0_L01_P054" (solid, pour order 54): 28.5,41.25 31,41.25 32.5,39.75 33.25,39 33.25,35 31.75,33.5 27,33.5 25.5,32 25.5,34.75 31.25,34.75 32,35.5 32,37.75 31.35,38.4 28.5,38.4
GND on Top Layer "GND_L01_P108" (solid, pour order 108): 15.25,32.125 15.25,30.3 13.75,30.3 13.75,32.125
GND on Top Layer "GND_L01_P107" (solid, pour order 107): 47.6,90.9 45.8,90.9 45.8,93.3 47.6,93.3
GND on Top Layer "GND_L01_P106" (solid, pour order 106): 37.25,75.25 38.75,75.25 38.75,74.3 37.25,74.3
GND on Top Layer "GND_L01_P105" (solid, pour order 105): 37.25,66.75 38.75,66.75 38.75,65.8 37.25,65.8
P3V3 on Top Layer "P3V3_L01_P053" (solid, pour order 53): 45.675,51.75 45.675,50.925 45.25,50.5 45.25,46 46.5,46 46.5,50.5 46.025,50.975 46.025,51.75
GND on Top Layer "GND_L01_P103" (solid, pour order 103): 45,59.7 45,62.55 47,62.55 47,59.7
GND on Top Layer "GND_L01_P104" (solid, pour order 104): 41.4,59.7 41.4,62.1 43.6,62.1 43.6,59.7
GND on Top Layer "GND_L01_P102" (solid, pour order 102): 41.4,68.1 41.4,70.6 43.6,70.6 43.6,68.1
GND on Top Layer "GND_L01_P099" (solid, pour order 99): 45,68.1 45,71.05 47,71.05 47,68.1
N13V0 on Top Layer "N13V0_L01_P050" (solid, pour order 50): 32.4,71.7 31.6,72.5 22.25,72.5 22.25,70.4 32.4,70.4
GND on Top Layer "GND_L01_P098" (solid, pour order 98): 11.3,69.7 11.3,67.7 9.95,67.7 9.95,69.7
GND on Top Layer "GND_L01_P097" (solid, pour order 97): 24.3,69.7 24.3,67.7 22.95,67.7 22.95,69.7
GND on Top Layer "GND_L01_P096" (solid, pour order 96): 35.95,50.75 37.45,50.75 37.45,46.75 35.95,46.75
GND on Top Layer "GND_L01_P095" (solid, pour order 95): 43.45,50.75 44.95,50.75 44.95,46.75 43.45,46.75
GND on Top Layer "GND_L01_P094" (solid, pour order 94): 40.75,68.25 39.25,68.25 39.25,69.2 40.75,69.2
GND on Top Layer "GND_L01_P093" (solid, pour order 93): 38.75,68.25 37.25,68.25 37.25,69.2 38.75,69.2
GND on Top Layer "GND_L01_P092" (solid, pour order 92): 40.75,59.75 39.25,59.75 39.25,60.7 40.75,60.7
GND on Top Layer "GND_L01_P090" (solid, pour order 90): 38.75,59.75 37.25,59.75 37.25,60.7 38.75,60.7
GND on Top Layer "GND_L01_P089" (solid, pour order 89): 27.75,17.05 27.75,28.75 29.75,28.75 29.75,17.05
GND on Top Layer "GND_L01_P088" (solid, pour order 88): 48.25,58 48.25,55 46.25,55 46.25,58
GND on Top Layer "GND_L01_P087" (solid, pour order 87): 40.75,58 40.75,55 38.75,55 38.75,58
GND on Top Layer "GND_L01_P086" (solid, pour order 86): 33.25,51 33.25,48 31.25,48 31.25,51
GND on Top Layer "GND_L01_P085" (solid, pour order 85): 33.25,58 33.25,55 31.25,55 31.25,58
GND on Top Layer "GND_L01_P084" (solid, pour order 84): 33.25,54.5 33.25,51.5 31.25,51.5 31.25,54.5
GND on Top Layer "GND_L01_P083" (solid, pour order 83): 31.5,35.75 28.5,35.75 28.5,37.75 31.5,37.75
GND on Top Layer "GND_L01_P082" (solid, pour order 82): 28.75,28.5 28.75,25.5 26.75,25.5 26.75,28.5
GND on Top Layer "GND_L01_P081" (solid, pour order 81): 30.25,33.5 30.25,30.5 28.25,30.5 28.25,33.5
GND on Top Layer "GND_L01_P080" (solid, pour order 80): 17.5,21.75 17.5,24.75 19.5,24.75 19.5,21.75
P6V0 on Top Layer "P6V0_L01_P060" (solid, pour order 60): 43.8,94.5 48.2,94.5 49.1,93.6 51.75,93.6 51.75,95.8 43.8,95.8
NetFL1_3 on Top Layer "NETFL1_3_L01_P044" (solid, pour order 44): 9,12 11.5,14.5 15,14.5 16,15.5 18.5,15.5 20.5,13.5 20.5,10.5 24.5,10.5 24.5,15.5 28.5,15.5 28.5,8.5 21,8.5 19.5,7 9,7
GND on Top Layer "GND_L01_P079" (solid, pour order 79): 22.25,29.25 19.25,29.25 19.25,31.25 22.25,31.25
GND on Top Layer "GND_L01_P078" (solid, pour order 78): 18.75,29.25 15.75,29.25 15.75,31.25 18.75,31.25
GND on Top Layer "GND_L01_P077" (solid, pour order 77): 3.5,31.25 3.5,34.25 5.5,34.25 5.5,31.25
GND on Top Layer "GND_L01_P076" (solid, pour order 76): 3.5,27.75 3.5,30.75 5.5,30.75 5.5,27.75
GND on Top Layer "GND_L01_P075" (solid, pour order 75): 3.5,24.25 3.5,27.25 5.5,27.25 5.5,24.25
GND on Top Layer "GND_L01_P074" (solid, pour order 74): 3.5,20.75 3.5,23.75 5.5,23.75 5.5,20.75
GND on Top Layer "GND_L01_P073" (solid, pour order 73): 11.5,27.75 14,27.75 14,26.25 11.5,26.25
GND on Top Layer "GND_L01_P072" (solid, pour order 72): 26,65.25 26,62.75 24.5,62.75 24.5,65.25
GND on Top Layer "GND_L01_P071" (solid, pour order 71): 13,65.25 13,62.75 11.5,62.75 11.5,65.25
GND on Top Layer "GND_L01_P070" (solid, pour order 70): 19,74 16.5,74 16.5,75.5 19,75.5
GND on Top Layer "GND_L01_P069" (solid, pour order 69): 6,74 3.5,74 3.5,75.5 6,75.5
GND on Top Layer "GND_L01_P068" (solid, pour order 68): 3.5,70.25 3.5,73.25 5.5,73.25 5.5,70.25
GND on Top Layer "GND_L01_P067" (solid, pour order 67): 3.5,60.75 3.5,63.75 5.5,63.75 5.5,60.75
GND on Top Layer "GND_L01_P065" (solid, pour order 65): 16.5,60.75 16.5,63.75 18.5,63.75 18.5,60.75
GND on Top Layer "GND_L01_P064" (solid, pour order 64): 16.5,70.25 16.5,73.25 18.5,73.25 18.5,70.25
GND on Top Layer "GND_L01_P063" (solid, pour order 63): 28.5,67.25 31.5,67.25 31.5,65.25 28.5,65.25
GND on Top Layer "GND_L01_P061" (solid, pour order 61): 28.5,75.75 31.5,75.75 31.5,73.75 28.5,73.75
N12V0A on Top Layer "N12V0A_L01_P059" (solid, pour order 59): 41,75.25 44,75.25 48.5,75.25 48.5,71.5 44.75,71.5 44.75,71 41,71
P12V0A on Top Layer "P12V0A_L01_P057" (solid, pour order 57): 41,66.75 44,66.75 48.5,66.75 48.5,63 44.75,63 44.75,62.5 41,62.5
P5V0 on Top Layer "P5V0_L01_P052" (solid, pour order 52): 38.175,51.75 38.175,50.925 37.75,50.5 37.75,46 39,46 39,50.5 38.525,50.975 38.525,51.75
P13V0 on Top Layer "P13V0_L01_P056" (solid, pour order 56): 15,68 15,65.9 11.625,65.9 11.625,68
P13V0 on Top Layer "P13V0_L01_P049" (solid, pour order 49): 32.5,63.5 32,64 27,64 27,62 32.5,62
P5V0A on Top Layer "P5V0A_L01_P055" (solid, pour order 55): 41.75,95.5 41.75,95 41.75,94.75 40.5,94.75 37,94.75 37,95.5 35,95.5 35,97.75 38.75,97.75 38.75,96.25 40.25,96.25 41,95.5
P12V0 on Top Layer "P12V0_L01_P045" (solid, pour order 45): 21,25 21,29 21.5,29.5 22.5,29.5 22.5,31.5 22,32 16,32 15.5,32.5 13.5,32.5 13,32 9,32 9,34 9.75,34.75 26,34.75 26,30 24,28 24,24.5 21,24.5
P6V0 on Top Layer "P6V0_L01_P051" (solid, pour order 51): 28,44.7 30.3,44.7 30.3,57.3 31.25,58.25 34.75,58.25 34.75,54.75 37.5,54.75 38.175,54.075 38.175,53.25 38.525,53.25 38.525,58.25 42.25,58.25 42.25,54.75 45,54.75 45.675,54.075 45.675,53.25 46.025,53.25 46.025,59.5 28,59.5
P12V0A on Top Layer "P12V0A_L01_P047" (solid, pour order 47): 39.5,63.5 39.5,64.75 41,64.75 41,61.5 36.5,61.5 36.5,63.5
N12V0A on Top Layer "N12V0A_L01_P048" (solid, pour order 48): 39.5,72 39.5,73.25 41,73.25 41,70 36.5,70 36.5,72
P12V0FIL on Top Layer "P12V0FIL_L01_P046" (solid, pour order 46): 12.5,31 13,31 13,28.5 11.5,28.5 11,28 11,20.5 6.5,20.5 6.5,37.5 9,37.5 9,35 8.5,34.5 8.5,31
NetFL1_1 on Top Layer "NETFL1_1_L01_P042" (solid, pour order 42): 7.25,13 9,13 11.75,15.75 19.25,15.75 21,14 21,11 24,11 24,15.5 21,18.5 10,18.5 7.25,15.75
GND on GND "GND_L02_P027" (solid, pour order 27): 0,159.5 79.5,159.5 79.5,0 0,0
no net on Inner Layer 2 "balancing" (solid, pour order 43): 2.5,0 76.5,0 76.5,159.5 2.5,159.5

## Keep-outs
Keep-Out Layer:
  drawing of 4735 lines, arcs and shapes, not listed

## Other copper
Top Layer:
  rectangle net GND: 0,0 2.75,159.5
  rectangle net GND: 76.75,0 79.5,159.5
  pour cut-out: 47.5,150.75 47.5,143.418 43.5,139.564 43.5,130.75 52,130.75 52,150.75
  pour cut-out: 27.5,150.75 27.5,136.5 32,136.5 32,150.75
GND:
  pour cut-out: 29,127.915 30.6,127.915 30.6,127.315 29,127.315
  pour cut-out: 29,129.185 30.6,129.185 30.6,128.585 29,128.585
  pour cut-out: 29,130.455 30.6,130.455 30.6,129.855 29,129.855
  pour cut-out: 29.4,135.175 30.2,135.175 30.2,133.975 29.4,133.975
  pour cut-out: 29.4,133.425 30.2,133.425 30.2,132.225 29.4,132.225
  pour cut-out: 28.91,156.095 30.69,156.095 30.69,151.905 28.91,151.905
  pour cut-out: 48.91,156.095 50.69,156.095 50.69,151.905 48.91,151.905
Bottom Layer:
  rectangle net GND: 76.75,0 79.5,159.5
  rectangle net GND: 0,0 2.75,159.5
  region net NetR43_1: 58.775,112.865 57.775,112.865 57.775,109.59 58.775,109.59
  region net NetR48_1: 36.275,112.865 35.275,112.865 35.275,109.59 36.275,109.59
  region net NetR45_1: 49.775,112.865 48.775,112.865 48.775,109.59 49.775,109.59
  region net NetR44_1: 54.275,112.865 53.275,112.865 53.275,109.59 54.275,109.59
  region net NetR46_1: 45.275,112.865 44.275,112.865 44.275,109.59 45.275,109.59
  region net NetR49_1: 31.775,112.865 30.775,112.865 30.775,109.59 31.775,109.59
  region net NetR47_1: 40.775,112.865 39.775,112.865 39.775,109.59 40.775,109.59
  region net NetR59_1: 27.275,116.84 26.275,116.84 26.275,113.565 27.275,113.565
  region net NetR60_1: 22.775,116.84 21.775,116.84 21.775,113.565 22.775,113.565
  region net NetR57_1: 36.275,116.84 35.275,116.84 35.275,113.565 36.275,113.565
  region net NetR58_1: 31.775,116.84 30.775,116.84 30.775,113.565 31.775,113.565
  region net NetR56_1: 40.775,116.84 39.775,116.84 39.775,113.565 40.775,113.565
  region net NetR54_1: 49.775,116.84 48.775,116.84 48.775,113.565 49.775,113.565
  region net NetR53_1: 54.275,116.84 53.275,116.84 53.275,113.565 54.275,113.565
  region net NetR52_1: 58.775,116.84 57.775,116.84 57.775,113.565 58.775,113.565
  region net NetR55_1: 45.275,116.84 44.275,116.84 44.275,113.565 45.275,113.565
  region net NetR51_1: 22.775,112.865 21.775,112.865 21.775,109.59 22.775,109.59
  region net NetR50_1: 27.275,112.865 26.275,112.865 26.275,109.59 27.275,109.59

## Silkscreen, mask and mechanical layers (free items; w line width, h text height)
Top Overlay:
  drawing of 6 lines, arcs and shapes, not listed
  text "+12.0V" at 57.66,72.875 h1.25
  text "-12.0V" at 57.66,70.375 h1.25
  text "+6.0V" at 58.702,67.875 h1.25
  text "+5.0V A" at 56.203,65.375 h1.25
  text "+5.0V D" at 56.203,62.875 h1.25
  text "+3.3V" at 58.702,60.375 h1.25
  text "WUT ISE 2025" at 74.7,26.5 h1.02 r90
  text "STABLE RF DETECTOR v1.0" at 71.85,15.255 h1.5 r90
  text "+12V DC" at 5.125,4.878 h1.25 r90
  text "9-18V DC MAX" at 6.65,3.978 h0.8 r90
Top Solder:
  rectangle: 76.75,0 79.5,159.5
  rectangle: 0,0 2.75,159.5
Bottom Solder:
  rectangle: 76.75,0 79.5,159.5
  rectangle: 0,0 2.75,159.5
Mechanical 11:
  lines w2: 10.3,79.715 26.3,79.715 ; 10.3,81.715 26.3,81.715 ; 10.3,83.715 26.3,83.715 ; 10.3,85.715 18.3,85.715 ; 12.3,83.715 12.3,93.715 ; 12.3,100.715 12.3,125.715 ; 12.3,132.715 12.3,148.715 ; 13.3,125.715 18.3,125.715 18.3,100.715 ; 14.3,83.715 14.3,93.715 ; 14.3,100.715 14.3,125.715 ; 14.3,132.715 14.3,148.715 ; 16.3,83.715 16.3,93.715 ; 16.3,100.715 16.3,125.715 10.3,125.715 ; 16.3,132.715 16.3,148.715 ; 16.3,142.715 26.3,142.715 ; 16.3,144.715 26.3,144.715 ; 16.3,146.715 26.3,146.715 ; 18.3,148.715 18.3,140.715 ; 25.3,140.715 18.3,140.715 ; 25.75,158.15 25.75,159.4 33.75,159.4 33.75,157.4 25.75,157.4 25.75,158.65 ; 33.25,77.715 33.25,84.25 ; 33.25,79.5 33.25,85.715 ; 33.3,77.715 46.3,77.715 46.3,85.715 33.3,85.715 ; 33.3,79.715 46.3,79.715 ; 33.3,81.715 46.3,81.715 ; 33.3,83.715 46.3,83.715 ; 33.3,142.715 46.3,142.715 ; 33.3,144.715 46.3,144.715 ; 33.3,146.715 46.3,146.715 ; 38.2,0 41.6,0 42.2,0 42.2,8.65 40.2,8.65 ; 38.8,0 38.8,8.65 ; 39.2,0 37.8,0 37.8,8.65 39.8,8.65 ; 39.5,0 39.5,8.65 ; 40.8,0 40.8,8.65 ; 45.75,158.15 45.75,159.4 53.75,159.4 53.75,157.4 45.75,157.4 45.75,158.65 ; 46.3,140.715 33.3,140.715 33.3,148.715 46.3,148.715 ; 46.35,140.715 46.35,146.93 ; 46.35,142.18 46.35,148.715 ; 53.3,79.715 63.3,79.715 ; 53.3,81.715 63.3,81.715 ; 53.3,83.715 63.3,83.715 ; 53.3,142.715 69.3,142.715 ; 53.3,144.715 69.3,144.715 ; 53.3,146.715 69.3,146.715 ; 54.3,85.715 61.3,85.715 ; 61.3,77.715 61.3,85.715 ; 61.5,113.75 61.5,121.75 ; 63.3,77.715 63.3,93.715 ; 63.3,100.715 63.3,125.715 ; 63.3,132.715 63.3,142.715 ; 64.3,125.715 69.3,125.715 69.3,100.715 61.3,100.715 ; 65.3,77.715 65.3,93.715 ; 65.3,100.715 65.3,125.715 ; 65.3,132.715 65.3,142.715 ; 67.3,77.715 67.3,93.715 ; 67.3,100.715 67.3,125.715 ; 67.3,132.715 67.3,142.715 ; 67.55,125.715 61.3,125.715 ; 69.3,140.715 61.3,140.715 ; 10.3,100.715 10.3,125.715 ; 10.3,100.715 10.3,125.715 ; 10.3,100.715 18.3,100.715 ; 10.3,100.715 18.3,100.715 ; 18.3,85.715 26.3,85.715 26.3,77.715 10.3,77.715 10.3,93.715 18.3,93.715 18.3,85.715 ; 18.3,132.715 18.3,140.715 ; 18.3,132.715 10.3,132.715 10.3,148.715 26.3,148.715 26.3,140.715 18.3,140.715 ; 18.3,132.715 18.3,140.715 ; 61.3,85.715 53.3,85.715 53.3,77.715 69.3,77.715 69.3,93.715 61.3,93.715 ; 61.3,85.715 61.3,93.715 ; 61.3,85.715 61.3,93.715 ; 61.3,100.715 61.3,125.715 ; 61.3,100.715 61.3,125.715 ; 61.3,140.715 61.3,132.715 69.3,132.715 69.3,148.715 53.3,148.715 53.3,140.715 61.3,140.715

## Text inside footprints (layer, text, board x,y; h text height)
J1: Top Overlay "1" at 16.975,12.4 h1.2 r180; Mechanical 14 "1" at 16.975,12.4 h1.2 r180
J3: Mechanical 8 "2.5mm" at 9.2,-1.4 h1; Mechanical 8 "SLEEVE SHUNT" at 16.725,7.575 h0.5 r90; Mechanical 8 "CENTER PIN" at 8.8,8.675 h0.5 r90
J4: Top Overlay "1" at 54.864,3.15 h1; Top Overlay "2" at 58.374,3.15 h1; Top Overlay "3" at 62.184,3.15 h1; Top Overlay "4" at 65.994,3.15 h1; Top Overlay "5" at 69.804,3.15 h1